# Allegro board 20210324_notecarrier-m2-al_v20.brd
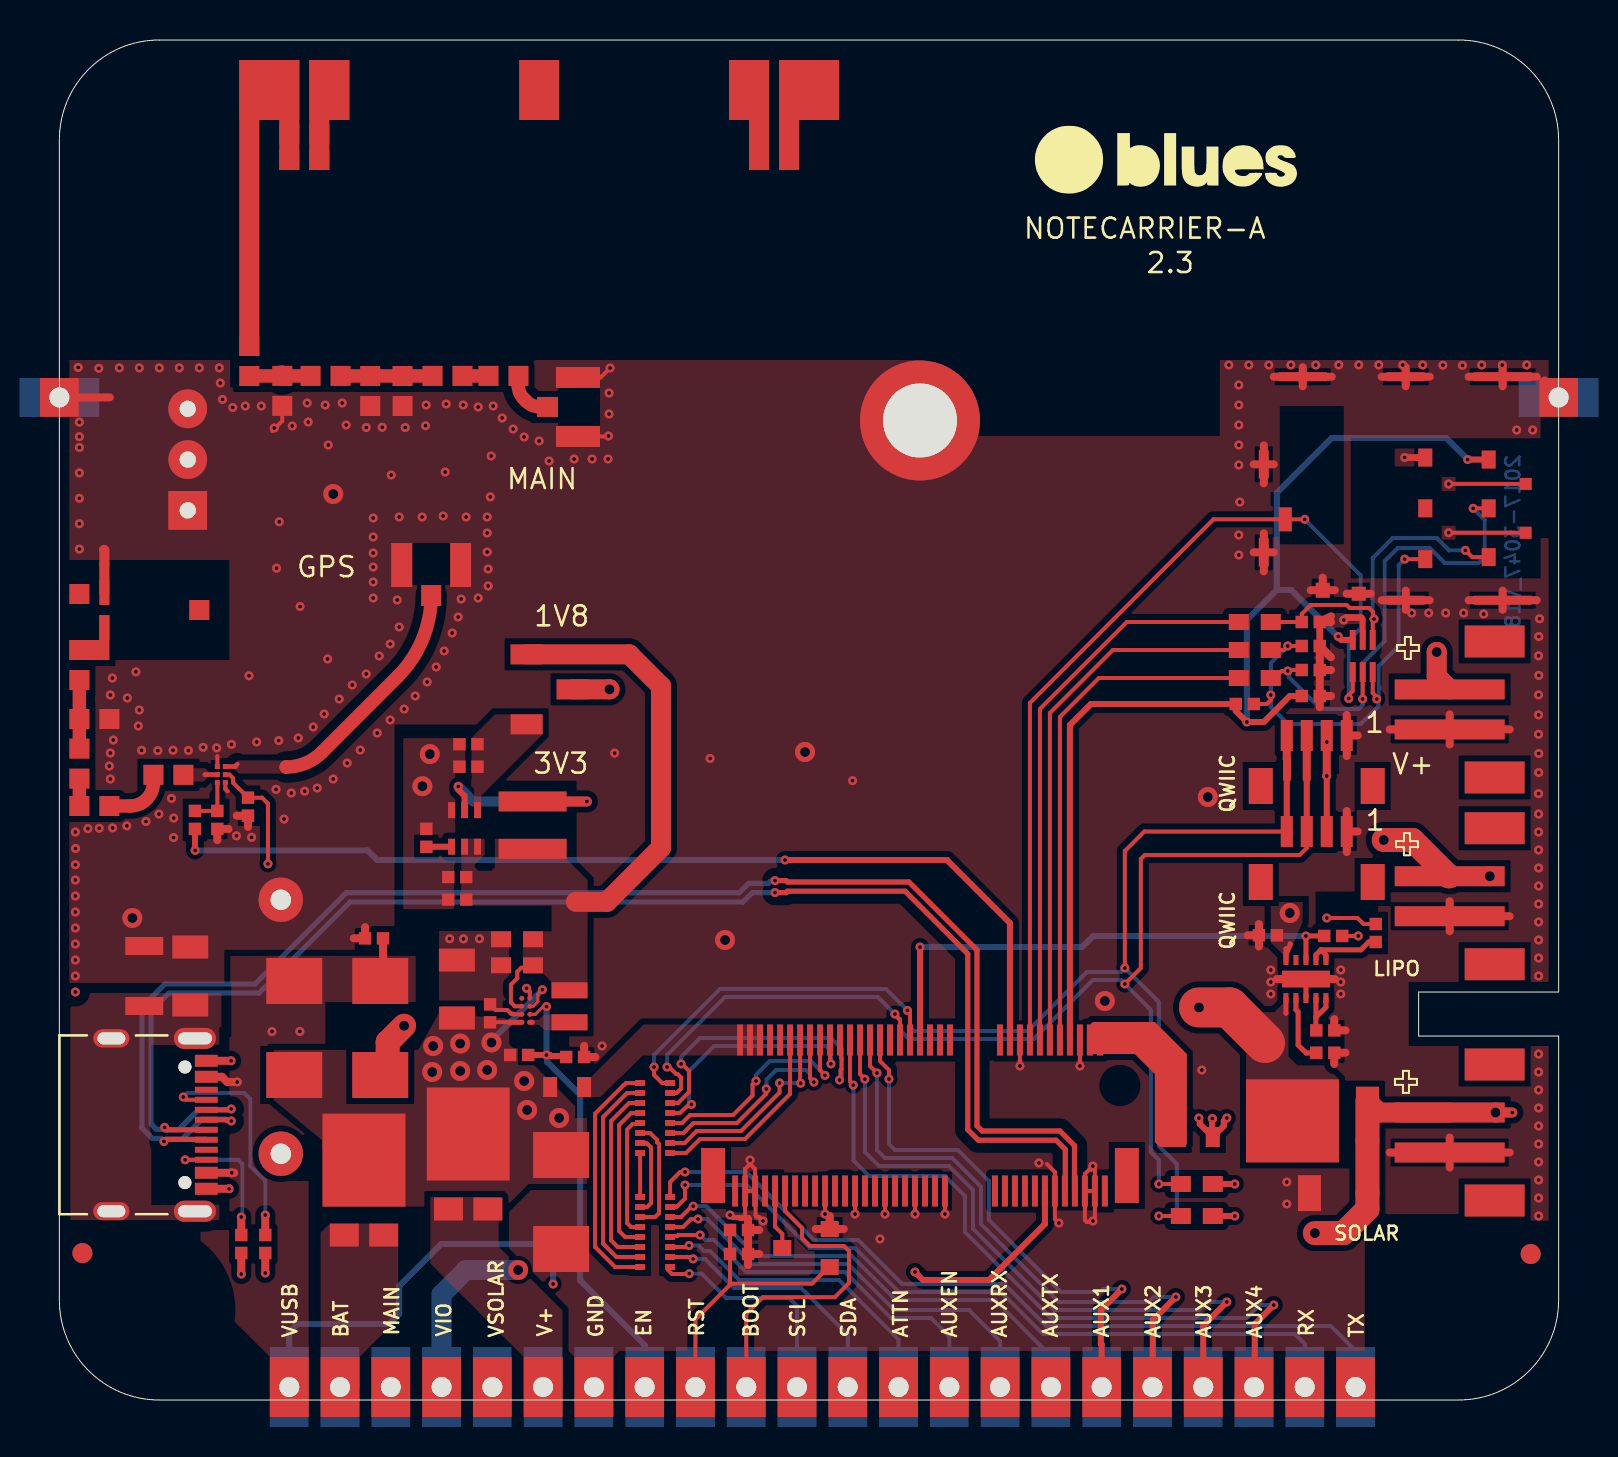
[diagram p0: board, top side]
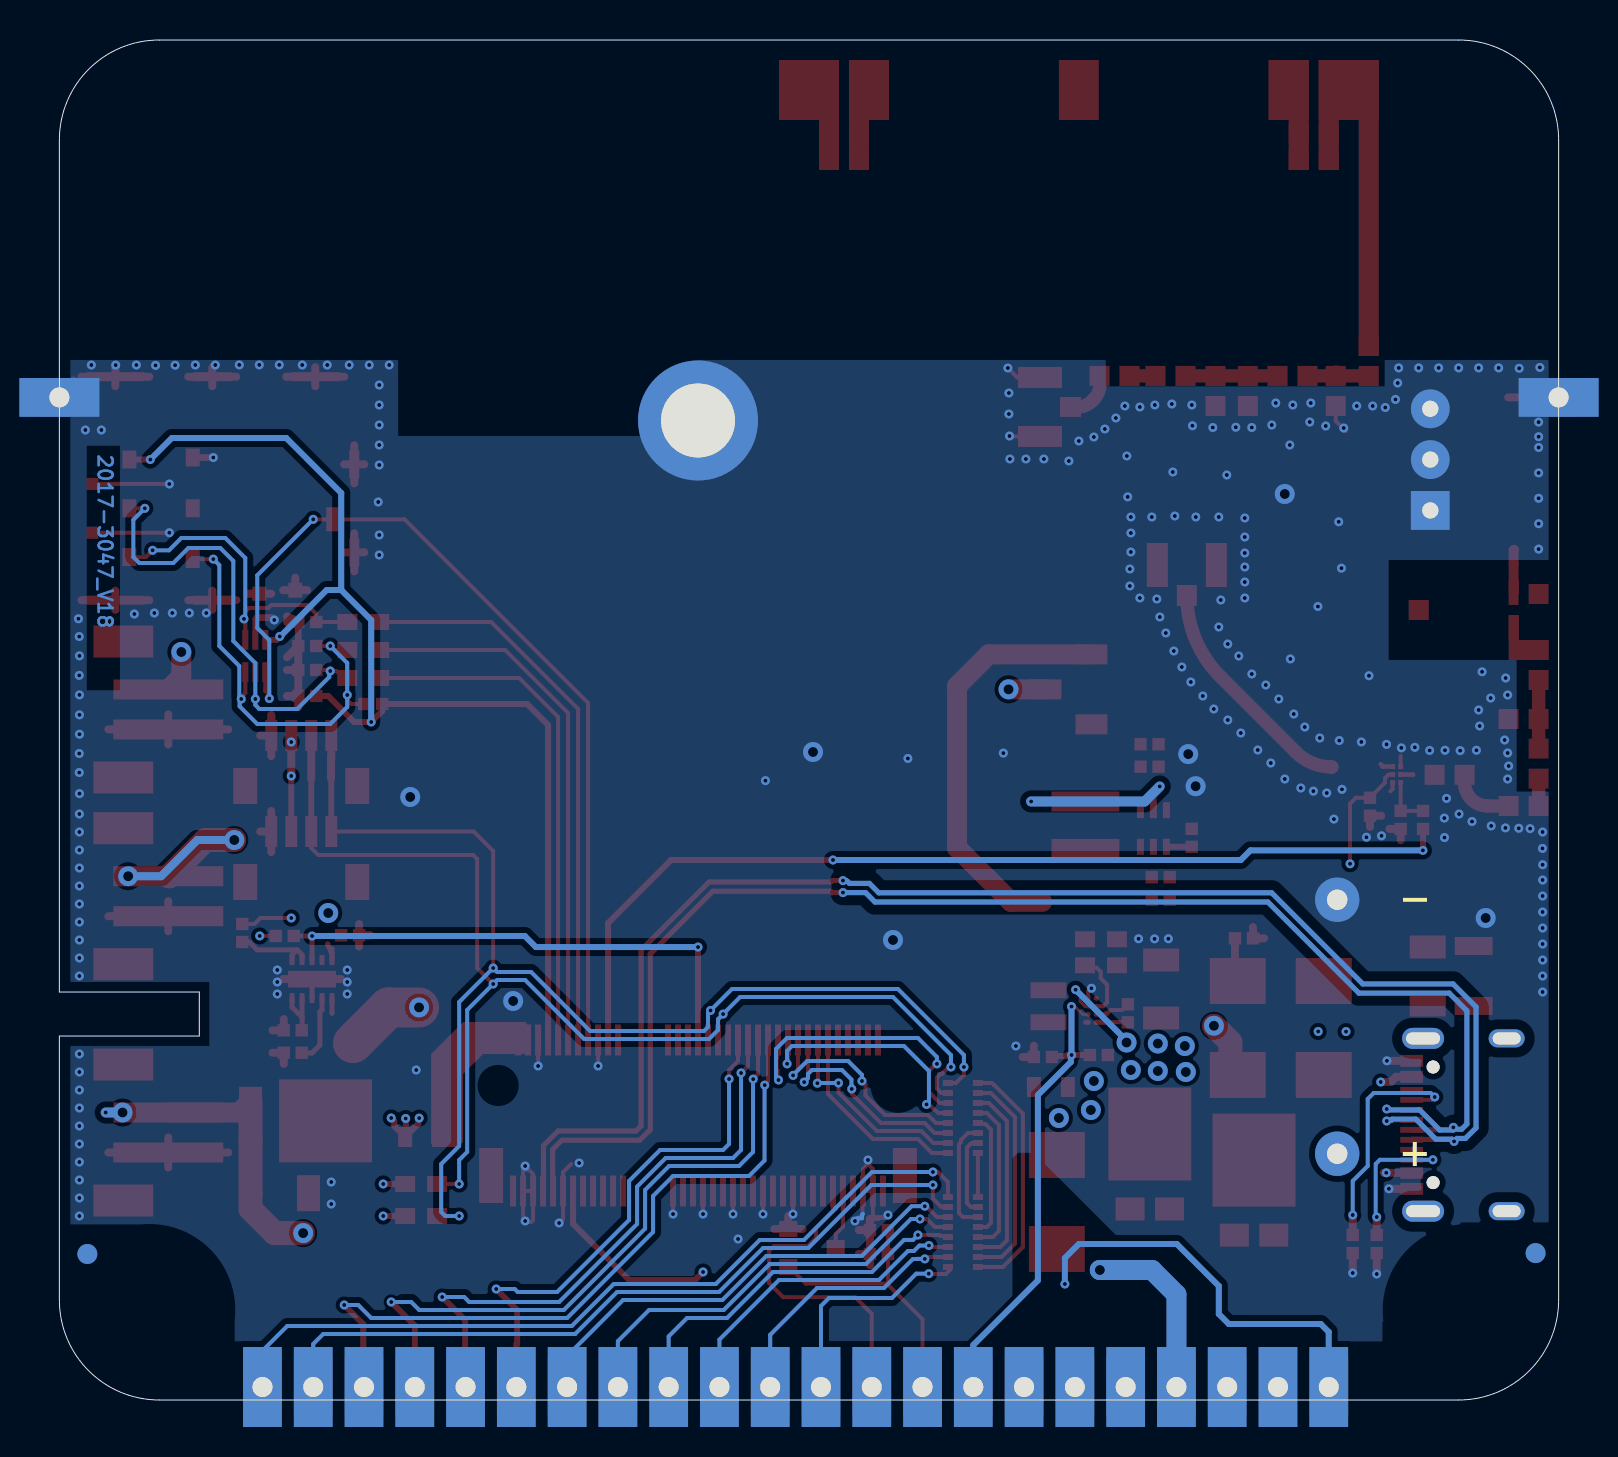
[diagram p1: board, bottom side, seen from below]

Outline 75 x 68 mm; copper layers: TOP, GND, POWER, BOTTOM. Coordinates in mm from the lower left corner of the outline.
Outline path: 0,63 arc(1.46,66.54) 5,68 70,68 arc(73.54,66.54) 75,63 75,20.4 68,20.4 68,18.2 75,18.2 75,5 arc(73.54,1.46) 70,0 5,0 arc(1.46,1.46) 0,5 0,63

## Design rules (mm)
constraint set DEFAULT: pair gap 0.2
net group USB_CON_EXT_90: nets USB_DM USB_DP
nets with their own width: min track width 0.67; nets GPS_50 GPS_50_A GPS_50_B GPS_50_C GPS_50_D GPS_50_E LTE_50 LTE_50_A LTE_50_B LTE_50_C LTE_50_D

## Placement (name value [footprint] x y rotation side)
ANT1  NN03-310  [ANT-NN03310-LTE]  24 65.5 0 top
ANT2  NN03-320  [ANT-NN03320-GPS]  4 39.5 90 top
BAT1  NU  [BATHLD-2464-NO_MECH]  37.48 27.24 180 bottom
C1  47u/16V-X5R  [CS-C-1206]  19.89 20.6 90 top
C2  4.7u/6.3V-X5R  [CS-C-0402]  21.55 19.33 90 top
C3  10u/10V-X5R  [CS-C-0603]  22.89 21.73 180 top
C4  10u/10V-X5R  [CS-C-0603]  22.89 23.04 180 top
C5  100n/16V  [CS-C-0402]  25.8 17.15 0 top
C6  100n/16V  [CS-C-0402]  20.46 32.79 180 top
C7  10u/6.3V-X5R  [CS-C-0402]  20.46 31.67 180 top
C8  10u/6.3V-X5R  [CS-C-0402]  19.9 25.02 180 top
C9  100n/16V  [CS-C-0402]  19.9 26.14 180 top
C10  100n/16V  [CS-C-0402]  15.74 23.08 180 top
C11  10n/1kV  [CS-C-1206]  6.55 21.25 90 top
C12  10u/25V-X5R  [CS-C-1206]  63.94 10.34 180 top
C13  1u/16V-X5R  [CS-C-0402]  60.46 23.24 180 top
C16  100n/16V  [CS-C-0402]  62.6 35.2 0 top
C17  33p/50V-C0G  [CS-C-0402]  62.6 36.5 0 top
C18  33p/50V-C0G  [CS-C-0402]  62.6 38.9 0 top
C19  33p/50V-C0G  [CS-C-0402]  62.6 37.7 0 top
C21  1n/50V  [FRACTUS-0404]  1.75 29.7 180 top
C22  1u/16V-X5R  [CS-C-0402]  9.44 29.66 270 top
C23  100n/16V  [CS-C-0402]  34 8.5 0 top
C25  0.5p/50V-C0G  [FRACTUS-0404]  12.25 62 180 top
C26  1p/50V-C0G  [FRACTUS-0404]  15.55 50.45 270 top
C27  2.2p/50V-C0G  [FRACTUS-0404]  13.31 51.21 0 top
C28  4.6p/50V-C0G  [FRACTUS-0404]  1.75 34.05 0 top
C29  1.1p/50V-C0G  [FRACTUS-0404]  1 36.75 90 top
DS2  FSV1045V  [TO277-3]  20.45 12.3 0 top
DS3  FSV1045V  [TO277-3]  15.24 11 0 top
DS4  STPS3H100U  [SMB]  11.75 16.25 90 top
DS5  STPS3H100U  [SMB]  16.05 16.25 90 top
DS6  FSV1045V  [TO277-3]  62.69 13.96 90 top
F1  SF-0603F150-2  [FS-0603]  56.85 13.15 180 top
F2  3.5A/32V  [FS-0603]  25.4 15.65 0 top
FID1  TPS  [FIDUCIAL]  1.15 7.35 0 top
FID2  TPS  [FIDUCIAL]  73.6 7.3 0 top
FID3  TPS  [FIDUCIAL]  1.15 7.35 270 bottom
FID4  TPS  [FIDUCIAL]  73.6 7.3 270 bottom
J3  B2B-PH-SM4-TBT(LF)(SN)  [J-2-0200-MDS-B2B-PH-SM4]  69.55 11.37 270 top
J4  B2B-PH-SM4-TBT(LF)(SN)  [J-2-0200-MDS-B2B-PH-SM4]  69.55 23.19 270 top
J5  NanoSIM - SF72S006VBAR2500  [J-NANOSIM-SF72S006VBA]  61.33 44.03 90 top
J6  MDT420E01001  [J-75-0050-MOS-M2-E]  43.05 15.73 180 top
J7  uFL-R-SMT-1-10  [J-3-MDS-UFL]  25.94 49.65 270 top
J8  uFL-R-SMT-1-10  [J-3-MDS-UFL]  18.6 41.75 0 top
J9  12734  [J-22-0254-FDT-H0508_EDGE]  38.17 1.3 0 top
J10  00711  [J-3-0254-FDT-H0508]  6.42 47.02 90 top
J11  12402012E212A  [AMPHENOL_12402012E212A]  2.6 13.76 270 top
J12  B2B-PH-SM4-TBT(LF)(SN)  [J-2-0200-MDS-B2B-PH-SM4]  69.55 32.53 270 top
J13  BM04B-SRSS-TBT  [J-4-0100-MDS-SH]  64.4 28.43 180 top
J14  BM04B-SRSS-TBT  [J-4-0100-MDS-SH]  64.4 33.23 180 top
L1  XFL4020-222MEC  [LS-XFL4020]  23.67 28.74 270 top
L2  1285AS-H-2R2M=P2  [LS-0806]  25.52 19.68 90 top
L5  LQW15AN7N5H00D  [FRACTUS-0404]  5.45 31.26 180 top
L6  LQW18AN12NG80  [FRACTUS-0404]  12.25 63.32 0 top
L7  LQW18AN10NG80D  [FRACTUS-0404]  17.17 50.45 270 top
L8  LQW18AN8N4G80D  [FRACTUS-0404]  11.15 50.46 270 top
L9  LQW15AN2N3G80D  [FRACTUS-0404]  9.5 51.95 90 top
NOREF  -  []  15.05 50.7 90 top
NOREF#2  -  []  56.1 10.8 0 top
NOREF#3  -  []  14.5 67 0 top
NOREF#4  -  []  24.32 18.79 0 top
NOREF#5  -  []  63.36 38.59 90 top
NOREF#6  -  []  38.53 6.65 90 top
NOREF#7  -  []  21.59 22.14 0 top
NOREF#8  -  []  10.65 50.71 90 top
NOREF#9  -  []  15.29 23.08 0 top
NOREF#10  -  []  13.53 7.67 90 top
NOREF#11  -  []  64.48 22.89 90 top
NOREF#12  -  []  7.12 21.75 90 top
NOREF#13  -  []  25.44 47.6 90 top
NOREF#14  -  []  -0.97 48.13 90 top
NOREF#15  -  []  59.61 11.63 90 top
NOREF#16  -  []  52.15 11.23 90 top
NOREF#17  -  []  57.05 31.71 90 top
NOREF#18  -  []  19.45 25.02 0 top
NOREF#19  -  []  11.75 16.25 90 top
NOREF#20  -  []  60.1 39.3 0 top
NOREF#21  -  []  18.1 40.75 90 top
NOREF#22  -  []  20.97 51.71 0 top
NOREF#23  -  []  52.3 10.45 90 top
NOREF#24  -  []  12 67 0 top
NOREF#25  -  [unnamed#2]  70.5 63.5 0 top
NOREF#26  -  []  55.65 12.65 0 top
NOREF#27  -  []  57.05 31.71 90 top
NOREF#28  -  []  59.5 29.8 0 top
NOREF#29  -  []  12 63.82 0 top
NOREF#30  -  []  53.05 15.73 90 top
NOREF#31  -  []  68.68 31.71 90 top
NOREF#32  -  []  9 50.7 0 top
NOREF#33  -  []  9.99 7.66 0 top
NOREF#34  -  []  60.73 44.36 0 top
NOREF#35  -  []  1.5 40.8 0 top
NOREF#36  -  []  35.15 11.23 0 top
NOREF#37  -  []  10.6 14.85 90 top
NOREF#38  -  []  2 29.2 90 top
NOREF#39  -  []  33.8 10.45 0 top
NOREF#40  -  []  19.47 9.55 0 top
NOREF#41  -  []  7.05 16.39 90 top
NOREF#42  -  []  19.7 31.98 0 top
NOREF#43  -  []  68.68 41.96 90 top
NOREF#44  -  []  61.36 20.1 90 top
NOREF#45  -  []  20.32 31.36 90 top
NOREF#46  -  []  65.44 12.97 90 top
NOREF#47  -  []  60.01 23.24 0 top
NOREF#48  -  []  19.55 42.85 0 top
NOREF#49  -  []  9.75 28.9 90 top
NOREF#50  -  []  9.41 7.04 90 top
NOREF#51  -  []  29.05 15.85 0 top
NOREF#52  -  []  14.25 8.25 0 top
NOREF#53  -  []  28.9 6.4 90 top
NOREF#54  -  []  69.55 35.53 0 top
NOREF#55  -  []  9.1 7.35 90 top
NOREF#56  -  []  23.87 34.58 90 top
NOREF#57  -  []  3.8 23.65 0 top
NOREF#58  -  []  57.05 31.71 0 top
NOREF#59  -  []  25.42 50.03 0 top
NOREF#60  -  []  64.1 32.45 0 top
NOREF#61  -  []  16.67 50.7 90 top
NOREF#62  -  []  33.05 15.73 0 top
NOREF#63  -  []  71 15.27 0 top
NOREF#64  -  []  20.01 31.67 0 top
NOREF#65  -  []  62.57 17.67 0 top
NOREF#66  -  []  57.05 31.71 90 top
NOREF#67  -  []  58.54 35.11 0 top
NOREF#68  -  []  22.09 23.04 0 top
NOREF#69  -  []  33.55 7.3 0 top
NOREF#70  -  []  29.2 9.9 90 top
NOREF#71  -  []  3.8 18.75 90 top
NOREF#72  -  []  9 67 0 top
NOREF#73  -  []  69.4 25 90 top
NOREF#74  -  []  35.5 63.82 0 top
NOREF#75  -  []  23.19 22.64 90 top
NOREF#76  -  []  4.5 4.5 90 top
NOREF#77  -  []  57.2 11.2 0 top
NOREF#78  -  []  68.85 63.49 0 top
NOREF#79  -  []  57.05 31.71 90 top
NOREF#80  -  []  34.5 62.82 0 top
NOREF#81  -  []  64.86 36.68 90 top
NOREF#82  -  []  40.05 48.98 0 top
NOREF#83  -  []  19.67 50.71 0 top
NOREF#84  -  []  63.11 9.44 90 top
NOREF#85  -  []  69.55 24.19 90 top
NOREF#86  -  []  -94.91 -111.07 0 top
NOREF#87  -  []  23.95 10.85 90 top
NOREF#88  -  []  30.4 9.9 0 top
NOREF#89  -  []  26.72 18.79 90 top
NOREF#90  -  []  15.05 50.7 0 top
NOREF#91  -  []  70.05 30.78 90 top
NOREF#92  -  []  65.55 35.9 90 top
NOREF#93  -  []  24.02 35.88 90 top
NOREF#94  -  []  -0.97 48.13 0 top
NOREF#95  -  []  57.2 9.6 0 top
NOREF#96  -  []  2.6 9.44 0 top
NOREF#97  -  []  62.8 31.71 0 top
NOREF#98  -  []  13.53 7.67 0 top
NOREF#99  -  []  18.38 15.62 0 top
NOREF#100  -  []  61.4 33.23 0 top
NOREF#101  -  []  66.16 23.49 90 top
NOREF#102  -  []  71 36.43 90 top
NOREF#103  -  []  28.9 12.1 0 top
NOREF#104  -  []  10.6 17.65 0 top
NOREF#105  -  []  22.55 17.25 0 top
NOREF#106  -  []  61.69 12.96 90 top
NOREF#107  -  []  25 67 0 top
NOREF#108  -  []  12.5 61.5 90 top
NOREF#109  -  []  68.68 31.71 90 top
NOREF#110  -  []  74.03 48.13 0 top
NOREF#111  -  []  35.5 67 0 top
NOREF#112  -  []  60.1 37.9 0 top
NOREF#113  -  []  9.44 29.21 90 top
NOREF#114  -  []  57.5 31.71 0 top
NOREF#115  -  [unnamed#2]  4.5 4.5 0 top
NOREF#116  -  []  18.05 27.97 0 top
NOREF#117  -  []  37.3 10.45 0 top
NOREF#118  -  []  7.35 15.01 90 top
NOREF#119  -  []  0.5 35.5 0 top
NOREF#120  -  []  25.92 20.59 0 top
NOREF#121  -  []  18.1 39.7 0 top
NOREF#122  -  []  0.5 30.57 90 top
NOREF#123  -  []  35.72 7.2 90 top
NOREF#124  -  []  68.83 63.5 0 top
NOREF#125  -  []  23.19 21.34 90 top
NOREF#126  -  []  20.32 32.48 90 top
NOREF#127  -  []  0.5 30.57 0 top
NOREF#128  -  []  16.22 8.25 90 top
NOREF#129  -  []  19.76 24.71 90 top
NOREF#130  -  []  63.39 31.71 90 top
NOREF#131  -  []  8.21 29.14 90 top
NOREF#132  -  []  7.09 28.24 90 top
NOREF#133  -  []  6.78 9.44 90 top
NOREF#134  -  []  18.74 8.97 0 top
NOREF#135  -  []  65.55 37.51 0 top
NOREF#136  -  []  12.06 50.71 90 top
NOREF#137  -  []  71 27.09 0 top
NOREF#138  -  []  71 27.09 90 top
NOREF#139  -  []  59 37.5 0 top
NOREF#140  -  []  24.17 25.86 90 top
NOREF#141  -  []  33.86 6.99 90 top
NOREF#142  -  []  2.88 40.12 90 top
NOREF#143  -  []  68.33 42.04 0 top
NOREF#144  -  []  0.5 35.5 90 top
NOREF#145  -  []  7.59 29.76 0 top
NOREF#146  -  []  8.79 7.66 0 top
NOREF#147  -  []  24.9 16.15 0 top
NOREF#148  -  []  22.47 50.71 90 top
NOREF#149  -  []  60.1 36.5 0 top
NOREF#150  -  []  19.22 29.32 0 top
NOREF#151  -  []  33.05 15.18 90 top
NOREF#152  -  []  63.38 45.36 0 top
NOREF#153  -  []  60.5 31.6 0 top
NOREF#154  -  []  59 38.9 0 top
NOREF#155  -  []  24.99 50.75 0 top
NOREF#156  -  []  20.46 21.1 90 top
NOREF#157  -  []  20.02 27.49 90 top
NOREF#158  -  []  60.7 26.8 90 top
NOREF#159  -  []  16.67 50.7 0 top
NOREF#160  -  []  52.15 9.68 90 top
NOREF#161  -  []  64.78 44.86 90 top
NOREF#162  -  []  56.1 9.2 0 top
NOREF#163  -  []  15.6 22.77 90 top
NOREF#164  -  []  16.05 16.25 90 top
NOREF#165  -  []  59.5 25 0 top
NOREF#166  -  []  61.94 22.25 0 top
NOREF#167  -  []  57.41 41.81 90 top
NOREF#168  -  []  37 67 0 top
NOREF#169  -  []  2.83 63.5 0 top
NOREF#170  -  []  0.5 30.2 0 top
NOREF#171  -  []  62.15 36.5 0 top
NOREF#172  -  []  65.54 24.11 0 top
NOREF#173  -  []  13.06 51.71 0 top
NOREF#174  -  []  65.85 22.9 90 top
NOREF#175  -  []  20.45 12.3 90 top
NOREF#176  -  []  63.86 23.51 0 top
NOREF#177  -  []  24.2 15.15 0 top
NOREF#178  -  []  63.35 16.12 90 top
NOREF#179  -  []  70.05 9.62 90 top
NOREF#180  -  []  17.65 42.85 0 top
NOREF#181  -  []  10.65 50.71 0 top
NOREF#182  -  []  37.48 26.73 90 top
NOREF#183  -  []  19.14 25.33 0 top
NOREF#184  -  []  49.1 1.3 0 top
NOREF#185  -  []  12.5 67 0 top
NOREF#186  -  []  58.05 12.65 90 top
NOREF#187  -  []  30.7 12.1 90 top
NOREF#188  -  []  62.15 38.9 0 top
NOREF#189  -  []  19.7 33.1 0 top
NOREF#190  -  []  1.62 38.88 0 top
NOREF#191  -  []  61.69 12.96 90 top
NOREF#192  -  []  8.63 31.35 90 top
NOREF#193  -  []  25.44 48.65 90 top
NOREF#194  -  []  69.55 33.53 90 top
NOREF#195  -  []  30.7 12.1 90 top
NOREF#196  -  []  58.98 33.51 0 top
NOREF#197  -  []  15.05 50.2 0 top
NOREF#198  -  []  63.35 37.28 90 top
NOREF#199  -  []  60.7 29.8 90 top
NOREF#200  -  []  19.14 26.45 0 top
NOREF#201  -  []  64.1 27.65 0 top
NOREF#202  -  []  64.71 12.4 0 top
NOREF#203  -  []  49.9 17.23 0 top
NOREF#204  -  []  63.35 37.28 90 top
NOREF#205  -  []  64.85 35.9 90 top
NOREF#206  -  []  1.62 38.88 90 top
NOREF#207  -  []  19.67 50.71 90 top
NOREF#208  -  []  -7.56 8.72 0 top
NOREF#209  -  []  11 62.82 0 top
NOREF#210  -  []  19.45 26.14 0 top
NOREF#211  -  []  68.68 31.71 90 top
NOREF#212  -  []  23.37 33.78 90 top
NOREF#213  -  []  69.05 30.78 0 top
NOREF#214  -  []  33.24 7.61 0 top
NOREF#215  -  []  23.67 27.56 90 top
NOREF#216  -  []  18.1 39.7 90 top
NOREF#217  -  []  59.16 34.49 90 top
NOREF#218  -  []  62.86 20.1 0 top
NOREF#219  -  []  69.55 26.19 0 top
NOREF#220  -  []  60.25 46.78 0 top
NOREF#221  -  []  57.05 31.71 90 top
NOREF#222  -  []  58.2 8.8 90 top
NOREF#223  -  []  61.4 28.43 0 top
NOREF#224  -  []  34.5 61.5 90 top
NOREF#225  -  []  4.25 19.7 90 top
NOREF#226  -  []  18.17 51.71 0 top
NOREF#227  -  []  68.68 31.71 90 top
NOREF#228  -  []  11 62.82 90 top
NOREF#229  -  []  33.05 15.73 0 top
NOREF#230  -  []  16.6 40.65 0 top
NOREF#231  -  []  59.5 25 0 top
NOREF#232  -  []  41.2 48.98 0 top
NOREF#233  -  []  61.11 19.97 90 top
NOREF#234  -  []  24.02 37.48 0 top
NOREF#235  -  []  70 0 90 top
NOREF#236  -  []  23.17 25.86 0 top
NOREF#237  -  []  8.56 47.02 0 top
NOREF#238  -  []  9 50.7 90 top
NOREF#239  -  []  60.32 22.93 90 top
NOREF#240  -  []  65.2 36.4 0 top
NOREF#241  -  []  71.5 44.58 90 top
NOREF#242  -  []  21.44 9.55 90 top
NOREF#243  -  []  22.09 21.73 0 top
NOREF#244  -  []  0.5 33.55 0 top
NOREF#245  -  []  69.05 21.44 0 top
NOREF#246  -  []  21.24 20.09 0 top
NOREF#247  -  []  13.16 14.32 0 top
NOREF#248  -  []  61.1 35.7 90 top
NOREF#249  -  []  35.5 62.5 0 top
NOREF#250  -  []  62.74 35.51 0 top
NOREF#251  -  []  7.9 31.27 90 top
NOREF#252  -  []  34.14 8.81 0 top
NOREF#253  -  []  7.2 13.08 0 top
NOREF#254  -  []  21.59 23.43 0 top
NOREF#255  -  []  64.86 9.44 0 top
NOREF#256  -  []  32.1 12.6 0 top
NOREF#257  -  []  14.9 14.85 90 top
NOREF#258  -  []  7.5 11.94 90 top
NOREF#259  -  []  23.54 19.96 90 top
NOREF#260  -  []  6.5 39 0 top
NOREF#261  -  []  1.5 34.55 0 top
NOREF#262  -  []  9.13 29.52 0 top
NOREF#263  -  []  34.5 61.5 0 top
NOREF#264  -  []  29.05 15.35 90 top
NOREF#265  -  []  63.11 19.97 0 top
NOREF#266  -  [unnamed#2]  70.5 4.5 0 top
NOREF#267  -  []  63.36 36.19 90 top
NOREF#268  -  []  63.36 20.1 90 top
NOREF#269  -  []  63.35 27.94 90 top
NOREF#270  -  []  61.7 32.45 90 top
NOREF#271  -  []  62.57 18.79 0 top
NOREF#272  -  []  71 36.43 0 top
NOREF#273  -  []  34.05 18 0 top
NOREF#274  -  []  6.55 19.75 90 top
NOREF#275  -  []  68.68 37.06 90 top
NOREF#276  -  []  33.55 8.5 0 top
NOREF#277  -  []  0.5 33.07 0 top
NOREF#278  -  []  60.25 42.38 0 top
NOREF#279  -  []  7.9 28.55 90 top
NOREF#280  -  []  -0.5 50.13 0 top
NOREF#281  -  []  0.5 38 0 top
NOREF#282  -  []  59.61 16.28 0 top
NOREF#283  -  []  4.5 4.5 0 top
NOREF#284  -  []  71.5 42.14 90 top
NOREF#285  -  []  19.76 25.83 90 top
NOREF#286  -  []  64.71 12.4 90 top
NOREF#287  -  []  20.01 32.79 0 top
NOREF#288  -  []  68.33 47.12 0 top
NOREF#289  -  []  34.76 8.19 90 top
NOREF#290  -  []  30.55 6.65 90 top
NOREF#291  -  []  29.05 6.65 0 top
NOREF#292  -  []  74.5 50.13 0 top
NOREF#293  -  []  58.85 34.8 0 top
NOREF#294  -  []  61.1 38.5 90 top
NOREF#295  -  []  0.5 33.55 90 top
NOREF#296  -  []  69.05 9.62 0 top
NOREF#297  -  []  4.2 31.76 0 top
NOREF#298  -  []  57.05 37.06 90 top
NOREF#299  -  []  34.5 62.82 90 top
NOREF#300  -  []  69.4 29.8 90 top
NOREF#301  -  []  7.05 17.53 0 top
NOREF#302  -  []  68.68 31.71 90 top
NOREF#303  -  []  11.5 0.65 0 top
NOREF#304  -  []  58.16 42.51 0 top
NOREF#305  -  []  18.36 27.66 90 top
NOREF#306  -  []  58.2 10.4 90 top
NOREF#307  -  []  68.23 31.71 0 top
NOREF#308  -  []  9 53.2 0 top
NOREF#309  -  []  57.25 40.71 0 top
NOREF#310  -  []  62.15 35.2 0 top
NOREF#311  -  []  60.7 31.6 90 top
NOREF#312  -  []  26.6 15.15 90 top
NOREF#313  -  []  69.55 12.37 90 top
NOREF#314  -  []  63.35 27.94 90 top
NOREF#315  -  []  63.36 37.39 90 top
NOREF#316  -  []  25.44 47.6 0 top
NOREF#317  -  []  27.94 48.55 90 top
NOREF#318  -  []  0 58.58 0 top
NOREF#319  -  []  62.88 17.36 0 top
NOREF#320  -  []  43.05 18 0 top
NOREF#321  -  []  70.05 21.44 90 top
NOREF#322  -  []  5.7 30.76 90 top
NOREF#323  -  []  63.35 16.12 90 top
NOREF#324  -  []  69.55 14.37 0 top
NOREF#325  -  []  5.7 30.76 0 top
NOREF#326  -  []  -1.65 19.65 0 top
NOREF#327  -  []  52.15 9.68 90 top
NOREF#328  -  []  9 67 0 top
NOREF#329  -  []  62.54 10.34 0 top
NOREF#330  -  []  63.19 17.05 90 top
NOREF#331  -  []  8.38 31.6 0 top
NOREF#332  -  []  15.24 11 90 top
NOREF#333  -  []  53.05 14.93 90 top
NOREF#334  -  []  5.97 18.85 0 top
NOREF#335  -  []  62.74 39.21 0 top
NOREF#336  -  []  58.98 45.36 0 top
NOREF#337  -  []  30.4 15.6 90 top
NOREF#338  -  []  62.2 51.16 0 top
NOREF#339  -  [unnamed#2]  4.5 63.5 0 top
NOREF#340  -  []  61.7 27.65 90 top
NOREF#341  -  []  23.95 13.65 0 top
NOREF#342  -  []  9 64 90 top
NOREF#343  -  []  18.38 10.97 90 top
NOREF#344  -  []  26.89 50.75 0 top
NOREF#345  -  []  2 29.2 0 top
NOREF#346  -  []  25.94 17.46 0 top
NOREF#347  -  []  21.55 18.88 90 top
NOREF#348  -  []  13.16 9.67 90 top
NOREF#349  -  []  60.7 25 90 top
NOREF#350  -  []  19.89 19.1 90 top
NOREF#351  -  []  73.35 43.36 90 top
NOREF#352  -  []  10.61 7.04 90 top
NOREF#353  -  []  63.27 23.2 0 top
NOREF#354  -  []  29.2 9.9 90 top
NOREF#355  -  []  61.1 37.1 90 top
NOREF#356  -  []  20.27 29.49 0 top
NOREF#357  -  []  12.5 61.5 0 top
NOREF#358  -  []  29.05 15.35 90 top
NOREF#359  -  []  60.73 43.71 90 top
NOREF#360  -  []  7.5 39 90 top
NOREF#361  -  []  33.3 9.85 90 top
NOREF#362  -  []  68.68 31.71 90 top
NOREF#363  -  []  56.35 13.65 0 top
NOREF#364  -  []  14.98 23.39 0 top
NOREF#365  -  []  60.5 26.8 0 top
NOREF#366  -  []  62.74 38.01 0 top
NOREF#367  -  []  43.05 18 0 top
NOREF#368  -  []  11 62.5 0 top
NOREF#369  -  []  7.9 31.67 0 top
NOREF#370  -  []  14.9 17.65 0 top
NOREF#371  -  []  47.05 18 0 top
NOREF#372  -  []  57.41 42.51 0 top
NOREF#373  -  []  20.92 27.66 90 top
NOREF#374  -  []  19.31 18.2 0 top
NOREF#375  -  []  38.09 8.95 0 top
NOREF#376  -  []  20.6 40.65 90 top
NOREF#377  -  []  21.86 19.47 90 top
NOREF#378  -  []  6.42 44.48 90 top
NOREF#379  -  []  6.78 28.55 90 top
NOREF#380  -  []  10.65 50.21 0 top
NOREF#381  -  []  62.15 37.7 0 top
NOREF#382  -  []  36.16 7.6 0 top
NOREF#383  -  []  63.36 34.89 90 top
NOREF#384  -  []  12.06 50.71 0 top
NOREF#385  -  []  62.78 19.85 90 top
NOREF#386  -  []  61.33 44.03 0 top
NOREF#387  -  []  2.83 4.5 0 top
NOREF#388  -  []  18.74 8.97 90 top
NOREF#389  -  []  25.35 17.15 0 top
NOREF#390  -  []  74.03 48.13 90 top
NOREF#391  -  []  26.56 16.84 90 top
NOREF#392  -  []  32.7 11.23 0 top
NOREF#393  -  []  59 36.1 0 top
NOREF#394  -  []  18.67 27.35 90 top
NOREF#395  -  []  61.36 22 0 top
NOREF#396  -  []  16.67 50.2 0 top
NOREF#397  -  []  23.13 18.89 0 top
NOREF#398  -  []  22.24 17.56 0 top
NOREF#399  -  []  30.55 6.65 90 top
NOREF#400  -  []  59.7 23.55 0 top
NOREF#401  -  []  10.3 7.35 90 top
NOREF#402  -  []  11.08 12.31 90 top
NOREF#403  -  []  59.5 29.8 0 top
NOREF#404  -  []  68.83 4.5 0 top
NOREF#405  -  []  23.13 19.69 90 top
NOREF#406  -  []  22.86 16.94 90 top
NOREF#407  -  []  6.47 28.86 0 top
NOREF#408  -  []  25.1 7.55 90 top
NOREF#409  -  []  62.88 18.48 0 top
NOREF#410  -  []  22.47 50.71 0 top
NOREF#411  -  []  63.19 18.17 90 top
NOREF#412  -  []  62.74 36.81 0 top
NOREF#413  -  []  71 15.27 90 top
OBJ1  9774025151R  [DIST-WASMSIM0250]  43.05 48.98 90 top
PAD1  TPS  [PAD-THT-CAS-0100]  75 50.13 90 top
PAD2  TPS  [PAD-THT-CAS-0100]  0 50.13 90 top
Q1  AO3420  [SOT23]  38.53 6.65 0 top
R1  10M/5%  [RS-0402]  23 17.25 180 top
R4  82k  [RS-0402]  18.36 28.11 270 top
R5  1M  [RS-1206]  4.25 21.2 90 top
R6  NU  [RS-0402]  63.72 23.2 0 top
R8  10k  [RS-0402]  65.85 23.35 90 top
R9  470R  [RS-0402]  63.33 17.36 180 top
R10  10k  [RS-0402]  63.33 18.48 180 top
R12  22R  [RS-0603]  59.8 37.5 0 top
R14  22R  [RS-0603]  59.8 38.9 0 top
R15  22R  [RS-0603]  59.8 36.1 0 top
R16  15k  [RS-0402]  59.3 34.8 180 top
R18  200k  [RS-0402]  6.78 29 270 top
R21  1k  [RS-0402]  34 7.3 180 top
R22  100k  [RS-0402]  7.9 29 90 top
R25  0R  [FRACTUS-0404]  35.75 63.32 0 top
R26  NU  [FRACTUS-0404]  35.75 62 0 top
R27  0R  [FRACTUS-0404]  19.42 51.21 180 top
R28  0R  [FRACTUS-0404]  22.22 51.21 180 top
R29  0R  [FRACTUS-0404]  1 31.82 90 top
R30  NU  [RS-0603]  56.9 10.8 0 top
R31  NU  [RS-0603]  56.9 9.2 0 top
R32  5.1k  [RS-0402]  9.1 7.8 270 top
R33  5.1k  [RS-0402]  10.3 7.8 270 top
RR1  100R/5%  [RR-8X-1506]  29.8 8.4 90 top
RR2  100R/5%  [RR-8X-1506]  29.8 14.1 270 top
SW1  CJS-1200TA  [SW-CJS1200TA]  24.52 35.53 270 top
TVS1  SM6T6V8A  [SMB]  25.1 12.25 270 top
TVS2  ESDLC5V0M5-TP  [SOT666]  65.2 37.2 180 top
U1  TPS62748YFPT  [XFBGA8]  23.33 19.49 0 top
U2  MAX17225ELT  [WDFN6-0200X0200]  20.27 28.58 270 top
U3  BQ24210DQCT  [WSON10-EXP]  62.36 21.05 90 top
U5  BGA725L6E6327FTSA1  [XFDFN6]  8.1 31.27 270 top
